# Altium PCB Venato_PCB_v2.PcbDoc (part 1 of 2) (continued)
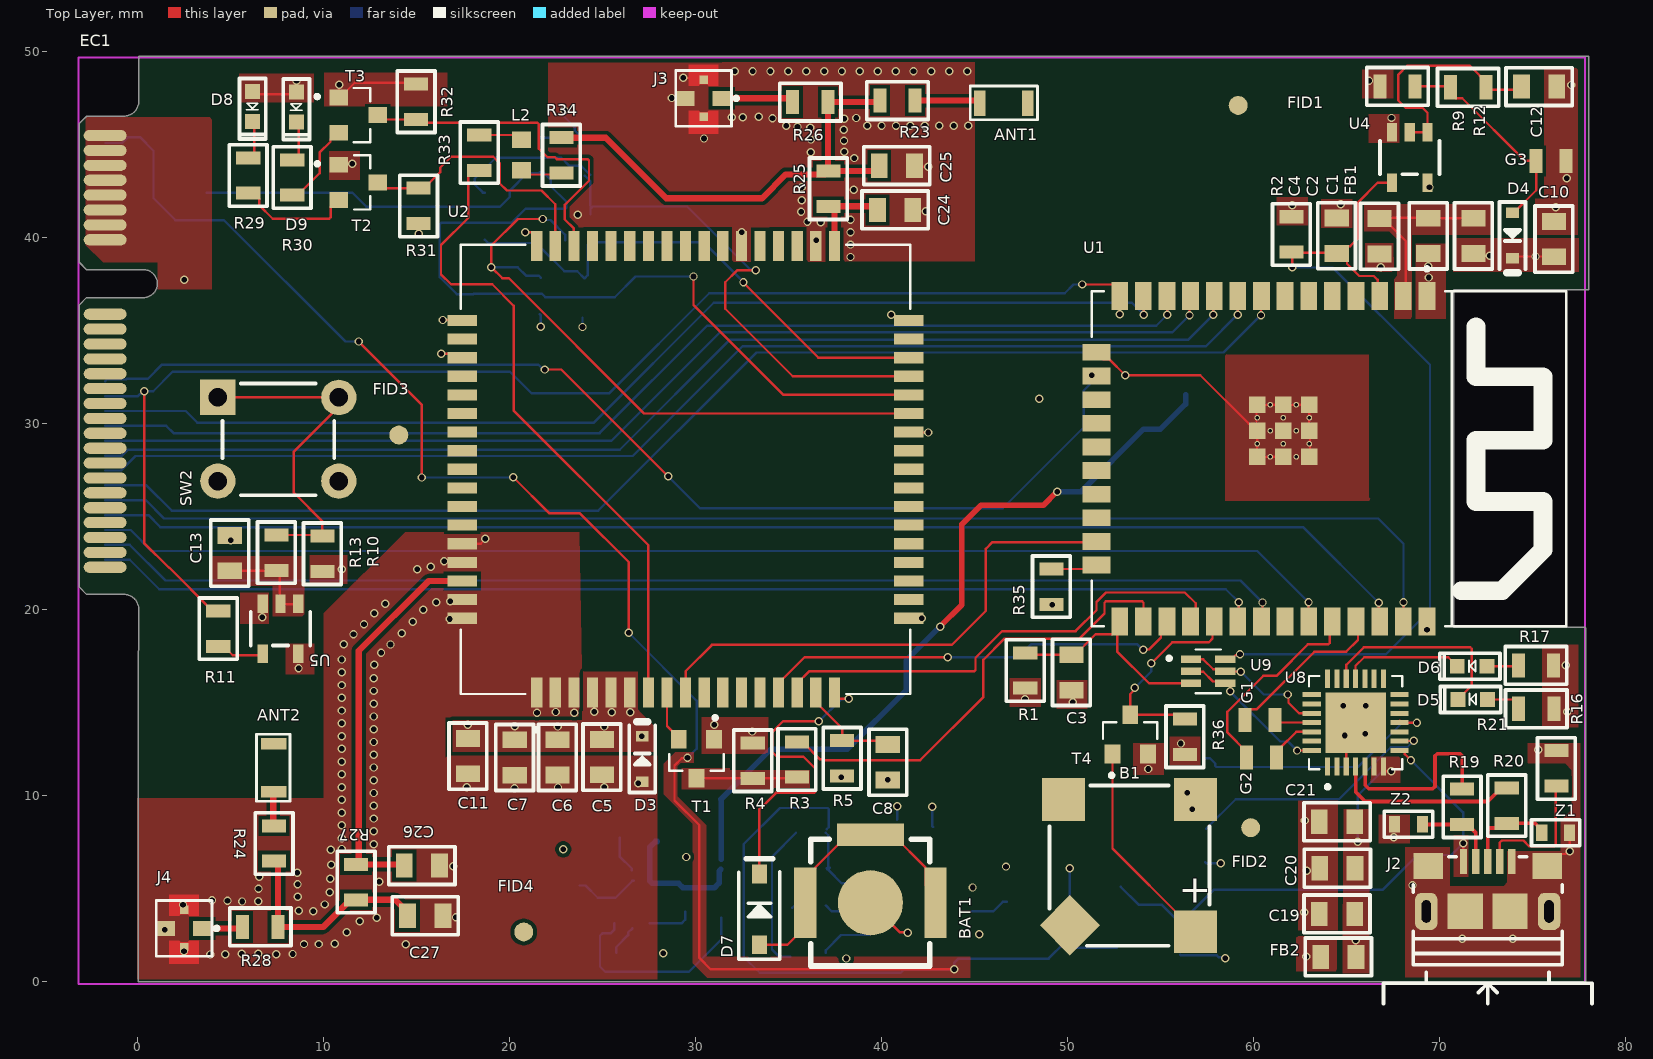
[diagram p0: Top Layer view]
## Components (designator, comment, footprint, x,y, rotation, side; value= is the part's Value field where it differs from the comment) (continued)
R30 "680" R0805 8.32,43.221 r90 top
R31 "10K" R0805 15.114,41.693 r90 top
R32 "10K" R0805 14.977,47.292 r270 top
R33 "10" R0805 18.371,44.555 r90 top
R34 "0R" R0805 22.786,44.411 r90 top
R35 "10K" R0805 49.119,21.232 r90 top
R36 "10K" R0805 56.298,13.164 r90 top
SW2 "1825910-6" DIP41825910-6 7.574,29.15 r90 top
T1 "2N7002" TRANS_MMBT2907A 30.047,11.984 r270 top
T2 "2N7002" TRANS_MMBT2907A 11.871,42.956 r0 top
T3 "2N7002" TRANS_MMBT2907A 11.861,46.57 r0 top
T4 "2N7002" TRANS_MMBT2907A 53.355,13.289 r90 top
TB0 "TitleBlock" PCB_Block -33.147,-80.24 r0 top locked
U1 "ESP32-WROOM-32E-N8" XCVR_ESP32-WROOM-32E_(16MB) 64.042,28.107 r270 top
U2 "SIM808" XCVR_SIM808 29.461,27.536 r90 top
U3 "TP4056" SOP_8 41.813,3.145 r180 bottom
U4 "SN74AHC1G09DBVR" DBV_SOT_5 68.38,44.294 r270 top
U5 "SN74AHC1G09DBVR" DBV_SOT_5 7.69,18.97 r270 top
U6 "DW01A" SOT23-6 26.586,4.433 r180 bottom
U7 "FS8205A" SOT23-6 30.439,5.002 r0 bottom
U8 "CP2102N-A02-GQFN28R" WFQFN-28 65.468,13.926 r90 top
U9 "UMH3NTN" SOT-363 57.546,16.68 r0 top
U10 "ES36NC5M" SOT-363 23.694,40.66 r270 bottom
Z1 "CG0603MLC-05E" R0603 76.223,8.002 r180 top
Z2 "CG0603MLC-05E" R0603 68.315,8.459 r0 top

## Footprints (in the part's own frame and the unit in brackets; to place one, negate y for a bottom-side part, rotate by r counter-clockwise, add the part's x,y. Pads: shape width x height; smd on the part's side, far side on the other; paste and mask are expansions set on the pad)
10118193-0001LF [mm]
  rect 0.4x1.35 smd mask+0.05: 1(-1.3,1.338) 2(-0.65,1.338) 3(0,1.338) 4(0.65,1.338) 5(1.3,1.338)
  rect 1.6x1.4 smd: 6(-3.2,1.112) 7(3.2,1.112)
  rrect60% 1.2x2 hole 0.5 slot 1.2 at 90 deg mask+0.05: 8(-3.3,-1.338) 9(3.3,-1.338)
  rect 1.9x1.9 smd: 10(-1.2,-1.338) 11(1.2,-1.338)
  silkscreen extent -5.6,-6.3 5.6,1.6, body extent -3.93,-4.2 3.93,1.58, height 2.88
BATTERY [mm]
  rect 3x4 smd: 1(-4,0) 2(4,0)
  silkscreen extent -27,-18 27,18, body extent -26.6,-29.21 26.5,17.61, height 6.16
C0805 [mm]
  rect 0.9x1.3 smd: 1(-0.95,0) 2(0.95,0)
  silkscreen extent -1.78,-1.02 1.78,1.02, body extent -1.15,-0.51 1.15,0.49, height 1.53
CL_inductor [mm]
  rect 2x2.7 smd: 1(-1.6,0) 2(1.6,0)
  silkscreen extent -2.95,-1.6 2.9,1.6, body extent -1.7,-1.25 1.7,1.25, height 2.7
DBV_SOT_5 [mm]
  rect 1x0.55 smd: 1(-1.35,0.95) 2(-1.35,0) 3(-1.35,-0.95) 4(1.35,-0.95) 5(1.35,0.95)
  silkscreen extent -0.9,-1.6 0.9,1.6, body extent -1.53,-1.53 1.5,1.53, height 1.6
DIP41825910-6 [mm]
  rect 1.9x1.9 hole 1: 1(2.25,3.25)
  round 1.9 hole 1: 2(2.25,-3.25) 3(-2.25,3.25) 4(-2.25,-3.25)
  silkscreen extent -3,-3 3,3, body extent -3,-3.9 3,3.9, height 5
"Edge Connector" [mm]
  oval 0.6x2.3 smd mask+0: 1(-7.95,1.4) 3(-7.15,1.4) 5(-6.35,1.4) 7(-5.55,1.4) 9(-4.75,1.4) 11(-3.95,1.4) 13(-3.15,1.4) 15(-2.35,1.4) 17(1.65,1.4) 19(2.45,1.4) 21(3.25,1.4) 23(4.05,1.4) 25(4.85,1.4) 27(5.65,1.4) 29(6.45,1.4) 31(7.25,1.4) 33(8.05,1.4) 35(8.85,1.4) 37(9.65,1.4) 39(10.45,1.4) 41(11.25,1.4) 43(12.05,1.4) 45(12.85,1.4) 47(13.65,1.4) 49(14.45,1.4) 51(15.25,1.4)
  oval 0.6x2.3 smd far side mask+0: 2(-7.55,1.4) 4(-6.75,1.4) 6(-5.95,1.4) 8(-5.15,1.4) 10(-4.35,1.4) 12(-3.55,1.4) 14(-2.75,1.4) 16(-1.95,1.4) 18(2.05,1.4) 20(2.85,1.4) 22(3.65,1.4) 24(4.45,1.4) 26(5.25,1.4) 28(6.05,1.4) 30(6.85,1.4) 32(7.65,1.4) 34(8.45,1.4) 36(9.25,1.4) 38(10.05,1.4) 40(10.85,1.4) 42(11.65,1.4) 44(12.45,1.4) 46(13.25,1.4) 48(14.05,1.4) 50(14.85,1.4) 52(15.65,1.4)
FID_x_420 [mil]
  round 40 smd paste-40 mask+40: 1(0,0)
INDC1608X100N [mm]
  rect 0.89x1.02 smd: 1(-0.814,0) 2(0.814,0)
  body extent -0.8,-0.4 0.8,0.4, height 1
IPEX_20579-001E [mm]
  rect 0.8x1 smd paste-1: 1(0,-0.975) G2(0,1)
  rect 0.45x0.45 smd paste-1 mask+0: G1(-1,0) G3(1,0)
  Top Layer region: 1.8,-0.79 0.67,-0.79 0.67,-0.27 0.75,-0.19 0.75,0.19 0.67,0.27 0.67,0.79 1.8,0.79
  Top Layer region: -0.67,0.27 -0.75,0.19 -0.75,-0.19 -0.67,-0.27 -0.67,-0.79 -1.9,-0.79 -1.9,0.79 -0.67,0.79
  silkscreen extent -1.5,-1.85 1.5,1.5, body extent -0.98,-1.08 1.02,0.92, height 0.6
LED0603 [mm]
  rect 0.8x0.8 smd: 1(-0.8,0) 2(0.8,0)
  silkscreen extent -1.75,-0.7 1.5,0.7, body extent -0.85,-0.4 0.85,0.4, height 0.65
My-521-01 [mm]
  rect 1.2x3.8 smd: 1(-3.5,0) 1(3.5,0)
  rect 3.6x1.2 smd: 1(0,3.65)
  round 3.5 smd: 2(0,0)
  silkscreen extent -3.2,-3.4 3.2,3.4, body extent -2.9,-2.9 2.9,2.9, height 2.2
PCB_Block [mm]
  body extent 0,0 1,1
R0603 [mm]
  rect 0.6x0.9 smd: 1(-0.75,0) 2(0.75,0)
  silkscreen extent -1.3,-0.7 1.3,0.7, body extent -0.79,-0.42 0.81,0.42, height 0.81
R0805 [mm]
  rect 0.7x1.3 smd: 1(-0.95,0) 2(0.95,0)
  silkscreen extent -1.65,-1.02 1.65,1.02, body extent -1,-0.6 1,0.6, height 0.7
R0805_no_3d [mm]
  rect 0.7x1.3 smd: 1(-0.8,0) 2(0.8,0)
SIM [mm]
  rect 1.4x1 smd: 1(-6.71,-2.57) 2(-6.71,-1.33) 3(-6.71,1.21) 5(8.23,-2.57) 6(8.23,-1.33) 7(8.23,1.21)
  rect 1.5x1.8 smd: P1(-6.94,5.425) P2(-6.94,-5.425) P3(6.37,-6.26) P4(6.37,6.26)
  silkscreen extent -8.48,-7.6 8.48,7.7, body extent -8.38,-6.93 8.58,6.93, height 1.3
SMD-8503-3627-16O [mm]
  rect 2.3x2.3 smd: 1(3.55,-3.55) 2(3.55,3.55) P2(-3.55,3.55)
  rect 2.3x2.3 smd rot 45: P1(-3.2,-3.2)
  silkscreen extent -4.3,-4.3 4.3,4.3, body extent -4.25,-4.25 4.25,4.25, height 3.06
SOD123 [mm]
  rect 1x0.8 smd: 1(-1.9,0) 2(1.9,0)
  silkscreen extent -2.73,-1.1 2.68,1.1, body extent -1.98,-0.9 1.92,0.9, height 1.18
SOD323 [mil]
  rect 22x27 smd: 1(-48,0) 2(48,0)
  silkscreen extent -79,-28 71,28, body extent -49,-25 49,25, height 35
SOP_8 [mm]
  rect 1.97x0.6 smd mask+0.06: 1(-2.475,1.905) 2(-2.475,0.635) 3(-2.475,-0.635) 4(-2.475,-1.905) 5(2.475,-1.905) 6(2.475,-0.635) 7(2.475,0.635) 8(2.475,1.905)
  rect 2.413x3.302 smd paste-3 mask+0.06: 9(0,0)
  silkscreen extent -3.1,-2.55 2,3, body extent -3.11,-2.5 3.11,2.5, height 1.87
SOT23-6 [mm]
  rect 0.55x1.2 smd: 1(-0.95,-1.3) 2(0,-1.3) 3(0.95,-1.3) 4(0.95,1.3) 5(0,1.3) 6(-0.95,1.3)
  silkscreen extent -2,-1.3 1.5,0.82, body extent -1.45,-1.4 1.45,1.4, height 1.45
SOT-363 [mm]
  rect 1.09x0.4 smd mask+0.05: 1(-0.92,0.65) 2(-0.92,0) 3(-0.92,-0.65) 4(0.92,-0.65) 5(0.92,0) 6(0.92,0.65)
  silkscreen extent -2.2,-1.17 0.68,1.17, body extent -1.05,-1 1.05,1, height 1
TRANS_MMBT2907A [mm]
  rect 1x0.85 smd: 1(-1.05,0.95) 2(-1.05,-0.95) 3(1.05,0)
  silkscreen extent -2.3,-1.46 0.65,1.46, body extent -1.25,-1.05 0.85,1.05, height 1.03
W3010 [mm]
  rect 0.62x1.36 smd: 1(-1.29,0) 2(1.29,0)
  silkscreen extent -1.8,-0.89 1.8,0.91, body extent -1.6,-0.55 1.6,0.55, height 1.6
WFQFN-28 [mm]
  rect 0.99x0.27 smd mask+0.05: 1(-2.36,1.5) 2(-2.36,1) 3(-2.36,0.5) 4(-2.36,0) 5(-2.36,-0.5) 6(-2.36,-1) 7(-2.36,-1.5) 15(2.36,-1.5) 16(2.36,-1) 17(2.36,-0.5) 18(2.36,0) 19(2.36,0.5) 20(2.36,1) 21(2.36,1.5)
  rect 0.27x0.99 smd mask+0.05: 8(-1.5,-2.36) 9(-1,-2.36) 10(-0.5,-2.36) 11(0,-2.36) 12(0.5,-2.36) 13(1,-2.36) 14(1.5,-2.36) 22(1.5,2.36) 23(1,2.36) 24(0.5,2.36) 25(0,2.36) 26(-0.5,2.36) 27(-1,2.36) 28(-1.5,2.36)
  rect 3.25x3.25 smd paste-0.597 mask+0.05: 29(0,0)
  silkscreen extent -3.55,-2.5 2.5,2.5, body extent -2.51,-2.51 2.51,2.51, height 0.75
XCVR_ESP32-WROOM-32E_(16MB) [mm]
  rect 1.5x0.9 smd: 1(-8.75,5.26) 2(-8.75,3.99) 3(-8.75,2.72) 4(-8.75,1.45) 5(-8.75,0.18) 6(-8.75,-1.09) 7(-8.75,-2.36) 8(-8.75,-3.63) 9(-8.75,-4.9) 10(-8.75,-6.17) 11(-8.75,-7.44) 12(-8.75,-8.71) 13(-8.75,-9.98) 14(-8.75,-11.25) 25(8.75,-11.25) 26(8.75,-9.98) 27(8.75,-8.71) 28(8.75,-7.44) 29(8.75,-6.17) 30(8.75,-4.9) 31(8.75,-3.63) 32(8.75,-2.36) 33(8.75,-1.09) 34(8.75,0.18) 35(8.75,1.45) 36(8.75,2.72) 37(8.75,3.99) 38(8.75,5.26)
  rect 0.9x1.5 smd: 15(-5.715,-12.5) 16(-4.445,-12.5) 17(-3.175,-12.5) 18(-1.905,-12.5) 19(-0.635,-12.5) 20(0.635,-12.5) 21(1.905,-12.5) 22(3.175,-12.5) 23(4.445,-12.5) 24(5.715,-12.5)
  rect 0.9x0.9 smd: 39_1(-2.9,-1.06) 39_2(-1.5,-1.06) 39_3(-0.1,-1.06) 39_4(-2.9,-2.46) 39_5(-1.5,-2.46) 39_6(-0.1,-2.46) 39_7(-2.9,-3.86) 39_8(-1.5,-3.86) 39_9(-0.1,-3.86)
  round 0.3 hole 0.2 mask+0: 39_10(-2.2,-1.06) 39_11(-0.8,-1.06) 39_12(-2.9,-1.76) 39_13(-1.5,-1.76) 39_14(-0.1,-1.76) 39_15(-2.2,-2.46) 39_16(-0.8,-2.46) 39_17(-2.9,-3.16) 39_18(-1.5,-3.16) 39_19(-0.1,-3.16) 39_20(-2.2,-3.86) 39_21(-0.8,-3.86)
  silkscreen extent -10.3,-12.75 9,12.75, body extent -9,-12.75 9,12.75, height 3.25
XCVR_SIM808 [mm]
  rect 1.6x0.6 smd: 1(-12,8) 2(-12,7) 3(-12,6) 4(-12,5) 5(-12,4) 6(-12,3) 7(-12,2) 8(-12,1) 9(-12,0) 10(-12,-1) 11(-12,-2) 12(-12,-3) 13(-12,-4) 14(-12,-5) 15(-12,-6) 16(-12,-7) 17(-12,-8) 35(12,-8) 36(12,-7) 37(12,-6) 38(12,-5) 39(12,-4) 40(12,-3) 41(12,-2) 42(12,-1) 43(12,0) 44(12,1) 45(12,2) 46(12,3) 47(12,4) 48(12,5) 49(12,6) 50(12,7) 51(12,8)
  rect 0.6x1.6 smd: 18(-8,-12) 19(-7,-12) 20(-6,-12) 21(-5,-12) 22(-4,-12) 23(-3,-12) 24(-2,-12) 25(-1,-12) 26(0,-12) 27(1,-12) 28(2,-12) 29(3,-12) 30(4,-12) 31(5,-12) 32(6,-12) 33(7,-12) 34(8,-12) 52(8,12) 53(7,12) 54(6,12) 55(5,12) 56(4,12) 57(3,12) 58(2,12) 59(1,12) 60(0,12) 61(-1,12) 62(-2,12) 63(-3,12) 64(-4,12) 65(-5,12) 66(-6,12) 67(-7,12) 68(-8,12)
  silkscreen extent -14.1,-12.07 12.07,12.07, body extent -12,-12 12,12, height 2.8

## Part data
ANT1 ANT2: "Antenna Ceramic Monopole 4dB Gain 2483.5MHz SMD", Case/Package=SMD/SMT, Manufacturer=Pulse, Max Frequency=2.4835GHz, Max Operating Temperature=85°C, Min Operating Temperature=-40°C, Package Quantity=3000, Resistor Type=Ceramic, Supplier Part Number 1=553-W3043CT-ND, Category="RF Antennas", ComponentLink1Description=https://datasheet.ciiva.com/8153/+w3043-8153043.pdf?src-supplier=Avnet, ComponentLink1URL=https://datasheet.ciiva.com/8153/+w3043-8153043.pdf?src-supplier=Avnet, ComponentLink2Description=https://datasheet.ciiva.com/15329/268317-15329727.pdf?src-supplier=Mouser, ComponentLink2URL=https://datasheet.ciiva.com/15329/268317-15329727.pdf?src-supplier=Mouser, ComponentLink3Description=https://datasheet.ciiva.com/2792/+w3043-2792612.pdf?src-supplier=Digi-Key, ComponentLink3URL=https://datasheet.ciiva.com/2792/+w3043-2792612.pdf?src-supplier=Digi-Key, Height=0.043inch, Impedance=50R, Length=1.6mm, Manufacturer Part Number=W3043, Mount="Surface Mount", Number of Bands=2, Packaging=Bulk, Pricing 1="1=1.59000, 10=1.43100, 25=1.35000, 100=1.15020, 250=1.08000, 500=0.94500, 1000=0.78300 (USD)", Return Loss=-12dB, RoHS=Yes, Stock 1=1794, Supplier 1=Digi-Key, Termination=Solder, Width=3.2mm
B1: "SMD Buzzers ROHS", Manufacturer=S&S, Supplier Part Number 1=C2685545, Category=Uncategorized, Manufacturer Part Number=SMD-8503-3627-16, Pricing 1="1=0.32810, 10=0.26310, 30=0.23430, 100=0.19950, 500=0.18440, 1000=0.17540 (USD)", Stock 1=10938, Supplier 1=LCSC
BA0017: library part BA0017, "3.7V 1200mAh Lipo Battery. Dimension: 40.0±3.0mm x 30.0±2.0mm 8.0±0.5mm (1.575±0.118\" x 1.181±0.079\" x 0.315±0.020\")"
BAT1: "Battery button SR521 SMD Battery Connectors ROHS", Manufacturer=MYoung, Supplier Part Number 1=C964848, Category=Uncategorized, Manufacturer Part Number=MY-521-01, Pricing 1="1=0.16030, 10=0.13100, 30=0.11850, 100=0.10290, 500=0.09590, 1000=0.09170 (USD)", RoHS=No, Stock 1=803, Supplier 1=LCSC
C1: library part CL21A226MAQNNNE, "CAP CER 22UF 25V X5R 0805", Case Code (Imperial)=0805, Case Code (Metric)=2012, Dielectric=X5R, Manufacturer=Samsung, Max Operating Temperature=85°C, Min Operating Temperature=-55°C, Package Quantity=1, Supplier Part Number 1=C45783, Tolerance=20%, Voltage Rating=25V, Capacitance=22uF, Case/Package=0805, Category="Ceramic Capacitors", ComponentLink1Description=https://datasheet.ciiva.com/25724/cl21a226maqnnne-25724468.pdf?src-supplier=Digi-Key, ComponentLink1URL=https://datasheet.ciiva.com/25724/cl21a226maqnnne-25724468.pdf?src-supplier=Digi-Key, Construction=Flat, Contact Plating=Tin, Depth=1.25mm, Length=2mm, Manufacturer Part Number=CL21A226MAQNNNE, Mount="Surface Mount", Packaging="Tape and Reel", Pricing 1="20=0.02360, 200=0.01840, 600=0.01610, 2000=0.01440, 10000=0.01370, 20000=0.01320 (USD)", RoHS=Yes, RoHS Compliant=Yes, Series=CL, Stock 1=1815620, Supplier 1=LCSC, Termination=Wraparound, Thickness=0.055inch, Width=0.049inch
C2 C3 C4 C5 C10 C11 C14 C18 C20 C21 C24 C25 C26 C27: library part CGA4J2X7R1H104K125AM, "Cap Ceramic 0.1uF 50V X7R 10% Pad SMD 0805 125°C Automotive T/R", Case Code (Imperial)=0805, Case Code (Metric)=2012, Dielectric=X7R, Manufacturer=TDK, Max Operating Temperature=125°C, Min Operating Temperature=-55°C, Package Quantity=1, Ratings=AEC-Q200, Resistor Type=Ceramic, Supplier Part Number 1=445-6958-1-ND, Tolerance=10%, Voltage Rating=50V, Capacitance=100nF, Case/Package=0805, Category="Ceramic Capacitors", ComponentLink1Description=http://components.arrow.com/part/dataview/0323_06888403?src-supplier=Arrow+Europe, ComponentLink1URL=http://components.arrow.com/part/dataview/0323_06888403?src-supplier=Arrow+Europe, ComponentLink2Description=https://product.tdk.com/info/en/catalog/datasheets/mlcc_automotive_openmode_en.pdf?src-supplier=Digi-Key, ComponentLink2URL=https://product.tdk.com/info/en/catalog/datasheets/mlcc_automotive_openmode_en.pdf?src-supplier=Digi-Key, ComponentLink3Description=https://product.tdk.com/info/en/documents/chara_sheet/CGA4J2X7R1H104K125AM.pdf?src-supplier=Digi-Key, ComponentLink3URL=https://product.tdk.com/info/en/documents/chara_sheet/CGA4J2X7R1H104K125AM.pdf?src-supplier=Digi-Key, ComponentLink4Description=http://components.arrow.com/part/dataview/57437351S460182N1165?src-supplier=Arrow+Electronics, ComponentLink4URL=http://components.arrow.com/part/dataview/57437351S460182N1165?src-supplier=Arrow+Electronics, Depth=1.25mm, Features="Soft Termination", Height=1.25mm, Length=0.079inch, Manufacturer Part Number=CGA4J2X7R1H104K125AM, Mount="Surface Mount", Packaging="Tape and Reel", Pricing 1="1=0.20000, 10=0.14200, 50=0.08080, 100=0.06700, 500=0.04696, 1000=0.03888 (USD)", RoHS=Yes, RoHS Compliant=Yes, Series=CGA, Stock 1=4940, Supplier 1=Digi-Key, Termination=SMD/SMT, Thickness=0.057inch, Voltage Rating (DC)=50V, Weight=0.000194oz, Width=0.049inch
C6: library part GRM21BR71H105KA12L, "0805 1 uF 50 V ±10% Tolerance X7R Multilayer Ceramic Chip Capacitor", Case Code (Imperial)=0805, Case Code (Metric)=2012, Dielectric=X7R, Manufacturer=Murata, Max Operating Temperature=125°C, Min Operating Temperature=-55°C, Package Quantity=1, Tolerance=10%, Voltage=50V, Capacitance=1uF, Case/Package=0805, Category="Ceramic Capacitors", ComponentLink1Description=https://datasheet.ciiva.com/22774/1747475-22774409.pdf?src-supplier=Farnell, ComponentLink1URL=https://datasheet.ciiva.com/22774/1747475-22774409.pdf?src-supplier=Farnell, ComponentLink2Description=https://datasheet.ciiva.com/28659/1684872-28659460.pdf?src-supplier=Element14, ComponentLink2URL=https://datasheet.ciiva.com/28659/1684872-28659460.pdf?src-supplier=Element14, ComponentLink3Description=https://datasheet.ciiva.com/139/grm21br71h105ka12-139467.pdf?src-supplier=Digi-Key, ComponentLink3URL=https://datasheet.ciiva.com/139/grm21br71h105ka12-139467.pdf?src-supplier=Digi-Key, ComponentLink4Description=https://datasheet.ciiva.com/3777/8166grm21br71h105ka1223-3777308.pdf?src-supplier=Arrow+Electronics, ComponentLink4URL=https://datasheet.ciiva.com/3777/8166grm21br71h105ka1223-3777308.pdf?src-supplier=Arrow+Electronics, ComponentLink5Description=https://datasheet.ciiva.com/29202/450841-da-01-de-vs-chip-kond-0805-1-0-uf-10pr-50-0v-x7r-29202833.pdf?src-supplier=Conrad, ComponentLink5URL=https://datasheet.ciiva.com/29202/450841-da-01-de-vs-chip-kond-0805-1-0-uf-10pr-50-0v-x7r-29202833.pdf?src-supplier=Conrad, ComponentLink6Description=https://datasheet.ciiva.com/29199/454791-da-01-en-vs-kondensator-0805-29199539.pdf?src-supplier=Conrad, ComponentLink6URL=https://datasheet.ciiva.com/29199/454791-da-01-en-vs-kondensator-0805-29199539.pdf?src-supplier=Conrad, ComponentLink7Description=https://datasheet.ciiva.com/22774/608985-22774412.pdf?src-supplier=Farnell, ComponentLink7URL=https://datasheet.ciiva.com/22774/608985-22774412.pdf?src-supplier=Farnell, ComponentLink8Description=https://datasheet.ciiva.com/22774/608985-22774411.pdf?src-supplier=Farnell, ComponentLink8URL=https://datasheet.ciiva.com/22774/608985-22774411.pdf?src-supplier=Farnell, ComponentLink9Description=https://datasheet.ciiva.com/16199/product-16199127.pdf?src-supplier=Future+Electronics, ComponentLink9URL=https://datasheet.ciiva.com/16199/product-16199127.pdf?src-supplier=Future+Electronics, Construction=Flat, Depth=1.25mm, Height=1.25mm, Lead Free="Lead Free", Length=2mm, Manufacturer Part Number=GRM21BR71H105KA12L, Material=Ceramic, Mount="Surface Mount", Number of Pins=2, Packaging="Tape and Reel", Pricing 1="1=0.72300, 25=0.64900, 50=0.59100, 100=0.52300, 250=0.46500, 500=0.39900, 1000=0.35100, 2500=0.27800, 3000=0.27800 (USD)", Radiation Hardening=No, Reach SVHC Compliant=Yes, RoHS=Yes, RoHS Compliant=Yes, Series=GRM, Supplier 1=Newark, Termination=SMD/SMT, Thickness=0.053inch, Voltage Rating=50V, Voltage Rating (DC)=50V, Width=0.049inch
C7 C22 C23: library part GRM21BR60J107ME15L, "0805 100 uF 6.3 V ±20% Tolerance X5R Multilayer Ceramic Chip Capacitor", Case Code (Imperial)=0805, Case Code (Metric)=2012, Dielectric=X5R, Manufacturer=Murata, Max Operating Temperature=85°C, Min Operating Temperature=-55°C, Supplier Part Number 1=490-13981-1-ND, Tolerance=20%, Voltage Rating=6.3V, Capacitance=100uF, Case/Package=0805, Category="Ceramic Capacitors", ComponentLink1Description=http://www.farnell.com/datasheets/1957830.pdf?src-supplier=Farnell, ComponentLink1URL=http://www.farnell.com/datasheets/1957830.pdf?src-supplier=Farnell, ComponentLink2Description=http://www.farnell.com/datasheets/1957830.pdf?src-supplier=Element14, ComponentLink2URL=http://www.farnell.com/datasheets/1957830.pdf?src-supplier=Element14, ComponentLink3Description=https://search.murata.co.jp/Ceramy/image/img/A01X/G101/ENG/GRM21BR60J107ME15-01.pdf?src-supplier=Digi-Key, ComponentLink3URL=https://search.murata.co.jp/Ceramy/image/img/A01X/G101/ENG/GRM21BR60J107ME15-01.pdf?src-supplier=Digi-Key, ComponentLink4Description=http://www.farnell.com/datasheets/1957830.pdf?src-supplier=Newark, ComponentLink4URL=http://www.farnell.com/datasheets/1957830.pdf?src-supplier=Newark, Lead Free="Lead Free", Length=0.079inch, Manufacturer Part Number=GRM21BR60J107ME15L, Mount="Surface Mount", Packaging="Cut Tape", Pricing 1="1=1.15000, 10=0.90900, 50=0.78800, 100=0.68180, 500=0.51516, 1000=0.45456 (USD)", Reach SVHC Compliant=Yes, RoHS=Yes, RoHS Compliant=Yes, Series=GRM, Stock 1=830718, Supplier 1=Digi-Key, Thickness=0.057inch, Voltage Rating (DC)=6.3V, Width=0.049inch
C8 C12 C13: library part C2012X5R1E105K125AA, "TDK - C2012X5R1E105K125AA - SMD Multilayer Ceramic Capacitor, 1 µF, 25 V, 0805 [2012 Metric], ± 10%, X5R, C Series", Case Code (Imperial)=0805, Case Code (Metric)=2012, Dielectric=X5R, Dielectric Material=Ceramic, Manufacturer=TDK, Max Operating Temperature=85°C, Min Operating Temperature=-55°C, Package Quantity=2000, Supplier Part Number 1=445-1419-1-ND, Tolerance=10%, Voltage=25V, Capacitance=1uF, Case/Package=0805, Category="Ceramic Capacitors", ComponentLink1Description=https://datasheet.ciiva.com/11787/0900766b80c1bb00-11787608.pdf?src-supplier=RSComponents, ComponentLink1URL=https://datasheet.ciiva.com/11787/0900766b80c1bb00-11787608.pdf?src-supplier=RSComponents, ComponentLink2Description=https://datasheet.ciiva.com/16449/e412-c-16449595.pdf?src-supplier=Future+Electronics, ComponentLink2URL=https://datasheet.ciiva.com/16449/e412-c-16449595.pdf?src-supplier=Future+Electronics, ComponentLink3Description=https://datasheet.ciiva.com/28602/1744655-28602171.pdf?src-supplier=Element14, ComponentLink3URL=https://datasheet.ciiva.com/28602/1744655-28602171.pdf?src-supplier=Element14, ComponentLink4Description=https://datasheet.ciiva.com/15192/getdatasheetpartid-726707-15192140.pdf?src-supplier=Verical, ComponentLink4URL=https://datasheet.ciiva.com/15192/getdatasheetpartid-726707-15192140.pdf?src-supplier=Verical, Construction=Flat, Depth=1.25mm, Height=1.25mm, Lead Free="Lead Free", Length=2mm, Manufacturer Part Number=C2012X5R1E105K125AA, Mount="Surface Mount", Number of Pins=2, Packaging="Tape and Reel", Pricing 1="1=0.23000, 10=0.15800, 50=0.09500, 100=0.08030, 500=0.05492, 1000=0.04858 (USD)", Radiation Hardening=No, REACH SVHC="No SVHC", Resistor Type=Ceramic, RoHS=Yes, RoHS Compliant=Yes, Series=C, Stock 1=32247, Supplier 1=Digi-Key, Termination=SMD/SMT, Thickness=0.057inch, Voltage Rating=25V, Voltage Rating (DC)=25V, Weight=0.000194oz, Width=0.049inch
C9 C19: library part CGA4J3X7S1A106M125AB, "Cap Ceramic 10uF 10V X7S 20% Pad SMD 0805 125°C Low ESR Automotive T/R", Case Code (Imperial)=0805, Case Code (Metric)=2012, Dielectric=X7S, Manufacturer=TDK, Max Operating Temperature=125°C, Min Operating Temperature=-55°C, Package Quantity=2000, Ratings=AEC-Q200, Supplier Part Number 1=445-16115-1-ND, Tolerance=20%, Voltage Rating=10V, Capacitance=10uF, Case/Package=0805, Category="Ceramic Capacitors", ComponentLink1Description=http://www.mouser.com/ds/2/400/lcc_automotive_general_en-843974.pdf?src-supplier=Mouser, ComponentLink1URL=http://www.mouser.com/ds/2/400/lcc_automotive_general_en-843974.pdf?src-supplier=Mouser, ComponentLink2Description=https://product.tdk.com/info/en/documents/chara_sheet/CGA4J3X7S1A106M125AB.pdf?src-supplier=Digi-Key, ComponentLink2URL=https://product.tdk.com/info/en/documents/chara_sheet/CGA4J3X7S1A106M125AB.pdf?src-supplier=Digi-Key, Height=1.25mm, Length=0.079inch, Manufacturer Part Number=CGA4J3X7S1A106M125AB, Mount="Surface Mount", Packaging="Tape and Reel", RoHS=Yes, RoHS Compliant=Yes, Supplier 1=Digi-Key, Termination=SMD/SMT, Thickness=0.057inch, Voltage Rating (DC)=10V, Weight=0.000194oz, Width=1.25mm
  C9: Pricing 1="1=0.41000, 10=0.29000, 50=0.21920, 100=0.19090, 500=0.14140, 1000=0.12019 (USD)", Stock 1=13960
  C19: Pricing 1="1=0.45000, 10=0.31600, 50=0.23880, 100=0.20790, 500=0.15400, 1000=0.13090 (USD)", Stock 1=10
C15 C16 C17: library part CC0805JRNPO9BN330, "Cap Ceramic 33pF 50V C0G 5% SMD 0805 125C T/R", Case Code (Imperial)=0805, Case Code (Metric)=2012, Dielectric=C0G, Dielectric Material=Ceramic, Manufacturer=Yageo, Max Operating Temperature=125°C, Min Operating Temperature=-55°C, Package Quantity=1, Supplier Part Number 1=311-1105-1-ND, Tolerance=5%, Voltage=50V, Capacitance=33pF, Case/Package=0805, Category="Ceramic Capacitors", ComponentLink1Description=https://datasheet.ciiva.com/8033/1443161-8033944.pdf?src-supplier=Element14, ComponentLink1URL=https://datasheet.ciiva.com/8033/1443161-8033944.pdf?src-supplier=Element14, ComponentLink2Description=https://datasheet.ciiva.com/8033/1443161-8033942.pdf?src-supplier=Element14, ComponentLink2URL=https://datasheet.ciiva.com/8033/1443161-8033942.pdf?src-supplier=Element14, ComponentLink3Description=https://datasheet.ciiva.com/144/mlccorderingcode-144779.pdf?src-supplier=Digi-Key, ComponentLink3URL=https://datasheet.ciiva.com/144/mlccorderingcode-144779.pdf?src-supplier=Digi-Key, ComponentLink4Description=https://datasheet.ciiva.com/144/mlccorderingcode-144778.pdf?src-supplier=Digi-Key, ComponentLink4URL=https://datasheet.ciiva.com/144/mlccorderingcode-144778.pdf?src-supplier=Digi-Key, ComponentLink5Description=https://datasheet.ciiva.com/144/mlccorderingcode-144780.pdf?src-supplier=Digi-Key, ComponentLink5URL=https://datasheet.ciiva.com/144/mlccorderingcode-144780.pdf?src-supplier=Digi-Key, ComponentLink6Description=https://datasheet.ciiva.com/11464/upy-gp-np0-16v-to-50v-8-11464747.pdf?src-supplier=Avnet, ComponentLink6URL=https://datasheet.ciiva.com/11464/upy-gp-np0-16v-to-50v-8-11464747.pdf?src-supplier=Avnet, ComponentLink7Description=https://datasheet.ciiva.com/29241/445349-da-01-en-kerko-chip-0805-np0-33pf-5proz-50v-g-29241975.pdf?src-supplier=Conrad, ComponentLink7URL=https://datasheet.ciiva.com/29241/445349-da-01-en-kerko-chip-0805-np0-33pf-5proz-50v-g-29241975.pdf?src-supplier=Conrad, Depth=1.25mm, Height=0.6mm, Lead Free="Lead Free", Length=2mm, Manufacturer Part Number=CC0805JRNPO9BN330, Material=Ceramic, Mount="Surface Mount", Packaging="Tape and Reel", Pricing 1="1=0.10000, 10=0.06900, 50=0.03760, 100=0.03060, 500=0.02188, 1000=0.01719 (USD)", Radiation Hardening=No, Resistor Type=Ceramic, RoHS=Yes, RoHS Compliant=Yes, Series=CC, Stock 1=150073, Supplier 1=Digi-Key, Termination=SMD/SMT, Thickness=0.024inch, Voltage Rating=50V, Voltage Rating (DC)=50V, Width=0.049inch
D1 D8 D9: library part LGL29K-G2J1-24-Z, "LED Single Chip Green 570nm 20mA 2-Pin 0603 T/R", Case Code (Imperial)=0603, Case Code (Metric)=1608, Forward Current=20mA, Forward Voltage=2.2V, Lens Color=White, Manufacturer="Osram Opto", Max Operating Temperature=100°C, Min Operating Temperature=-40°C, Package Quantity=5000, Reverse Voltage=12V, Supplier Part Number 1=LGL29K-G2J1-24-Z-299157-OSRAMOPTO, Test Current=2mA, Case/Package=0603, Category=LEDs, Color=Green, ComponentLink1Description=https://datasheet.ciiva.com/4689/g-l29k-39844-4689584.pdf?src-supplier=Mouser, ComponentLink1URL=https://datasheet.ciiva.com/4689/g-l29k-39844-4689584.pdf?src-supplier=Mouser, ComponentLink2Description=https://datasheet.ciiva.com/15198/getdatasheetpartid-571127-15198411.pdf?src-supplier=Verical, ComponentLink2URL=https://datasheet.ciiva.com/15198/getdatasheetpartid-571127-15198411.pdf?src-supplier=Verical, ComponentLink3Description=https://datasheet.ciiva.com/2112/00077107-0-2112887.pdf?src-supplier=Digi-Key, ComponentLink3URL=https://datasheet.ciiva.com/2112/00077107-0-2112887.pdf?src-supplier=Digi-Key, ComponentLink4Description=https://datasheet.ciiva.com/2112/00077107-0-2112886.pdf?src-supplier=Digi-Key, ComponentLink4URL=https://datasheet.ciiva.com/2112/00077107-0-2112886.pdf?src-supplier=Digi-Key, ComponentLink5Description=https://datasheet.ciiva.com/2112/00077107-0-2112888.pdf?src-supplier=Digi-Key, ComponentLink5URL=https://datasheet.ciiva.com/2112/00077107-0-2112888.pdf?src-supplier=Digi-Key, Depth=0.8mm, Dominant Wavelength=570nm, Height=0.65mm, Illumination Color=Green, Length=1.3mm, Lens Size=0.8mm, Lens Style=Flat,Diffused,Colorless,Rectangular, Lens Transparency=Diffused, Luminous Flux=0.012lm, Luminous Intensity=5.6mcd, Manufacturer Part Number=LGL29K-G2J1-24-Z, Mount="Surface Mount", Number of Elements=1, Number of LEDs=1, Number of Pins=2, Packaging="Tape and Reel", Radiation Hardening=No, RoHS=Yes, RoHS Compliant=Yes, Series=SmartLED, Stock 1=60000, Supplier 1="Bison Technologies", Viewing Angle=160°, Width=0.8mm
D2 D5 D6: library part LOL29K-H2K1-24-Z, "Smartled Orange Lc", Case Code (Imperial)=0603, Case Code (Metric)=1608, Forward Current=20mA, Forward Voltage=2.2V, Lens Color=White, Manufacturer="Osram Opto", Max Operating Temperature=100°C, Min Operating Temperature=-40°C, Package Quantity=5000, Reverse Voltage=12V, Supplier Part Number 1="LO L29K-H2K1-24-Z", Test Current=2mA, Case/Package=0603, Category=Uncategorized, Color=Orange, ComponentLink1Description=https://datasheet.ciiva.com/2112/00077105-0-2112905.pdf?src-supplier=Digi-Key, ComponentLink1URL=https://datasheet.ciiva.com/2112/00077105-0-2112905.pdf?src-supplier=Digi-Key, ComponentLink2Description=https://datasheet.ciiva.com/2112/00077105-0-2112904.pdf?src-supplier=Digi-Key, ComponentLink2URL=https://datasheet.ciiva.com/2112/00077105-0-2112904.pdf?src-supplier=Digi-Key, ComponentLink3Description=https://datasheet.ciiva.com/2112/00077105-0-2112906.pdf?src-supplier=Digi-Key, ComponentLink3URL=https://datasheet.ciiva.com/2112/00077105-0-2112906.pdf?src-supplier=Digi-Key, ComponentLink4Description=https://datasheet.ciiva.com/15198/getdatasheetpartid-693885-15198412.pdf?src-supplier=Verical, ComponentLink4URL=https://datasheet.ciiva.com/15198/getdatasheetpartid-693885-15198412.pdf?src-supplier=Verical, Depth=0.8mm, Dominant Wavelength=606nm, Height=0.65mm, Illumination Color=Orange, Length=1.3mm, Lens Size=0.8mm, Lens Style=Flat,Diffused,Colorless,Rectangular, Lens Transparency=Diffused, Luminous Flux=0.025lm, Luminous Intensity=9mcd, Manufacturer Part Number=LOL29K-H2K1-24-Z, Mount="Surface Mount", Number of Elements=1, Number of LEDs=1, Number of Pins=2, Packaging="Tape and Reel", Radiation Hardening=No, RoHS=Yes, RoHS Compliant=Yes, Series=SmartLED, Supplier 1="Arrow Electronics", Viewing Angle=160°, Width=0.8mm
D3: library part BZT52C5V1S, "Zener Single Diode, 5.1 V, 200 Mw, Sod-323, 6 %, 2, 150 C Rohs Compliant: Yes", Forward Voltage=900mV, Manufacturer=Multicomp, Max Forward Surge Current (Ifsm)=2A, Max Operating Temperature=150°C, Max Power Dissipation=200mW, Min Operating Temperature=-65°C, Supplier Part Number 1=1466019, Test Current=5mA, Category="Zener Diodes", ComponentLink1Description=http://www.farnell.com/datasheets/469132.pdf?src-supplier=Farnell, ComponentLink1URL=http://www.farnell.com/datasheets/469132.pdf?src-supplier=Farnell, ComponentLink2Description=http://www.farnell.com/datasheets/469132.pdf?src-supplier=Element14, ComponentLink2URL=http://www.farnell.com/datasheets/469132.pdf?src-supplier=Element14, Manufacturer Part Number=BZT52C5V1S, Mount="Surface Mount", Number of Pins=2, Packaging="Cut Tape", Reach SVHC Compliant=Yes, RoHS=Yes, Supplier 1=Farnell, Termination=SMD/SMT, Zener Voltage=5.1V
D4: "Small Signal Schottky Diode, Single, 30 V, 200 Ma, 800 Mv, 600 Ma, 150 C", Average Rectified Current=200mA, Capacitance=10pF, Forward Voltage=800mV, Manufacturer="ON Semiconductor / Fairchild", Max Forward Surge Current (Ifsm)=600mA, Max Operating Temperature=150°C, Max Repetitive Reverse Voltage (Vrrm)=30V, Max Reverse Current=2uA, Min Operating Temperature=-55°C, Package Quantity=3000, Power Dissipation=200mW, Supplier Part Number 1=BAT54HT1GOSDKR-ND, Category="Schottky Diodes", ComponentLink1Description=https://datasheet.ciiva.com/4714/bat54ht1-d-72881-4714706.pdf?src-supplier=Mouser, ComponentLink1URL=https://datasheet.ciiva.com/4714/bat54ht1-d-72881-4714706.pdf?src-supplier=Mouser, ComponentLink2Description=https://datasheet.ciiva.com/4452/bat54ht1g-104602-4452889.pdf?src-supplier=Mouser, ComponentLink2URL=https://datasheet.ciiva.com/4452/bat54ht1g-104602-4452889.pdf?src-supplier=Mouser, ComponentLink3Description=https://datasheet.ciiva.com/30479/0900766b811a63a9-30479442.pdf?src-supplier=RSComponents, ComponentLink3URL=https://datasheet.ciiva.com/30479/0900766b811a63a9-30479442.pdf?src-supplier=RSComponents, ComponentLink4Description=https://datasheet.ciiva.com/34301/806549-34301562.pdf?src-supplier=Jameco, ComponentLink4URL=https://datasheet.ciiva.com/34301/806549-34301562.pdf?src-supplier=Jameco, ComponentLink5Description=https://datasheet.ciiva.com/1240/1747983-1240762.pdf?src-supplier=Newark, ComponentLink5URL=https://datasheet.ciiva.com/1240/1747983-1240762.pdf?src-supplier=Newark, ComponentLink6Description=https://datasheet.ciiva.com/915/bat54ht1-d-915445.pdf?src-supplier=Digi-Key, ComponentLink6URL=https://datasheet.ciiva.com/915/bat54ht1-d-915445.pdf?src-supplier=Digi-Key, ComponentLink7Description=https://datasheet.ciiva.com/915/bat54ht1-d-915444.pdf?src-supplier=Digi-Key, ComponentLink7URL=https://datasheet.ciiva.com/915/bat54ht1-d-915444.pdf?src-supplier=Digi-Key, ComponentLink8Description=https://datasheet.ciiva.com/910/bat54ht1g-910499.pdf?src-supplier=Digi-Key, ComponentLink8URL=https://datasheet.ciiva.com/910/bat54ht1g-910499.pdf?src-supplier=Digi-Key, ComponentLink9Description=https://datasheet.ciiva.com/910/bat54ht1g-910498.pdf?src-supplier=Digi-Key, ComponentLink9URL=https://datasheet.ciiva.com/910/bat54ht1g-910498.pdf?src-supplier=Digi-Key, ComponentLink10Description=https://datasheet.ciiva.com/8294/bat54ht1-d-8294645.pdf?src-supplier=Avnet, ComponentLink10URL=https://datasheet.ciiva.com/8294/bat54ht1-d-8294645.pdf?src-supplier=Avnet, ComponentLink11Description=https://datasheet.ciiva.com/910/bat54ht1g-910497.pdf?src-supplier=Digi-Key, ComponentLink11URL=https://datasheet.ciiva.com/910/bat54ht1g-910497.pdf?src-supplier=Digi-Key, ComponentLink12Description=https://datasheet.ciiva.com/8303/bat54ht1g-8303645.pdf?src-supplier=Avnet, ComponentLink12URL=https://datasheet.ciiva.com/8303/bat54ht1g-8303645.pdf?src-supplier=Avnet, ComponentLink13Description=https://datasheet.ciiva.com/915/bat54ht1-d-915443.pdf?src-supplier=Digi-Key, ComponentLink13URL=https://datasheet.ciiva.com/915/bat54ht1-d-915443.pdf?src-supplier=Digi-Key, ComponentLink14Description=https://datasheet.ciiva.com/46429/1727620-46429206.pdf?src-supplier=Element14, ComponentLink14URL=https://datasheet.ciiva.com/46429/1727620-46429206.pdf?src-supplier=Element14, ComponentLink15Description=https://datasheet.ciiva.com/1180/bat54ht1-d-1180252.pdf?src-supplier=Element14, ComponentLink15URL=https://datasheet.ciiva.com/1180/bat54ht1-d-1180252.pdf?src-supplier=Element14, ComponentLink16Description=https://datasheet.ciiva.com/1180/bat54ht1-d-1180251.pdf?src-supplier=Element14, ComponentLink16URL=https://datasheet.ciiva.com/1180/bat54ht1-d-1180251.pdf?src-supplier=Element14, ComponentLink17Description=https://datasheet.ciiva.com/17020/bat54ht1g-17020445.pdf?src-supplier=Future+Electronics, ComponentLink17URL=https://datasheet.ciiva.com/17020/bat54ht1g-17020445.pdf?src-supplier=Future+Electronics, ComponentLink18Description=https://datasheet.ciiva.com/48686/001262925-da-01-en-diode-schottky-30v-bat54ht1g-sod-323-fsc-48686266.pdf?src-supplier=Conrad, ComponentLink18URL=https://datasheet.ciiva.com/48686/001262925-da-01-en-diode-schottky-30v-bat54ht1g-sod-323-fsc-48686266.pdf?src-supplier=Conrad, Contact Plating=Tin,Matte, Current Rating=200mA, Element Configuration=Single, Forward Current=200mA, Height=1mm, Lead Free="Lead Free", Length=1.8mm, Manufacturer Part Number=BAT54HT1G, Max Reverse Leakage Current=2uA, Max Reverse Voltage (DC)=30V, Max Surge Current=600mA, Mount="Surface Mount", Number of Pins=2, Output Current=200mA, Packaging="Tape and Reel", Peak Non-Repetitive Surge Current=600mA, Polarity=Standard, Pricing 1="1=0.24000, 10=0.19900, 100=0.10570, 500=0.06956, 1000=0.04730 (USD)", Radiation Hardening=No, REACH SVHC="No SVHC", Recovery Time=5ns, Reverse Recovery Time=5ns, Reverse Voltage=30V, RoHS=Yes, RoHS Compliant=Yes, Supplier 1=Digi-Key, Voltage Rating (DC)=30V, Width=1.35mm
D7: "DIODE SCHOTTKY 30V 1A PMDU", Average Rectified Current=1A, Forward Voltage=430mV, Manufacturer=Rohm, Max Forward Surge Current (Ifsm)=30A, Max Operating Temperature=125°C, Max Repetitive Reverse Voltage (Vrrm)=30V, Max Reverse Current=50uA, Min Operating Temperature=-40°C, Package Quantity=1, Category="Rectifier Diodes", ComponentLink1Description=https://datasheet.ciiva.com/22696/24622-22696102.pdf?src-supplier=Element14, ComponentLink1URL=https://datasheet.ciiva.com/22696/24622-22696102.pdf?src-supplier=Element14, ComponentLink2Description=https://datasheet.ciiva.com/13083/rb160m-30-210354-13083762.pdf?src-supplier=Mouser, ComponentLink2URL=https://datasheet.ciiva.com/13083/rb160m-30-210354-13083762.pdf?src-supplier=Mouser, ComponentLink3Description=https://datasheet.ciiva.com/913/rb160m-30-913552.pdf?src-supplier=Digi-Key, ComponentLink3URL=https://datasheet.ciiva.com/913/rb160m-30-913552.pdf?src-supplier=Digi-Key, ComponentLink4Description=https://datasheet.ciiva.com/16208/rb160m-30-16208896.pdf?src-supplier=Future+Electronics, ComponentLink4URL=https://datasheet.ciiva.com/16208/rb160m-30-16208896.pdf?src-supplier=Future+Electronics, ComponentLink5Description=https://datasheet.ciiva.com/7624/24622-7624621.pdf?src-supplier=Element14, ComponentLink5URL=https://datasheet.ciiva.com/7624/24622-7624621.pdf?src-supplier=Element14, ComponentLink6Description=https://datasheet.ciiva.com/3021/rb160m-30-3021996.pdf?src-supplier=Avnet, ComponentLink6URL=https://datasheet.ciiva.com/3021/rb160m-30-3021996.pdf?src-supplier=Avnet, Current Rating=1A, Element Configuration=Single, Forward Current=1A, Lead Free="Lead Free", Manufacturer Part Number=RB160M-30TR, Max Reverse Leakage Current=50uA, Max Reverse Voltage (DC)=30V, Max Surge Current=30A, Mount="Surface Mount", Number of Pins=2, Output Current=1A, Packaging="Tape and Reel", Peak Non-Repetitive Surge Current=30A, Polarity=Standard, Pricing 1="1=0.39000 (USD)", Radiation Hardening=No, Reach SVHC Compliant=Yes, RoHS=Yes, RoHS Compliant=Yes, Series=-, Stock 1=1870, Termination=SMD/SMT, Voltage Rating (DC)=30V
EC1: library part EdgeCard
FB1 FB2: "Ferrite Beads Multi-Layer Power 600Ohm 25% 100MHz 2A 100mOhm DCR 0805 T/R", Case Code (Imperial)=0805, Case Code (Metric)=2012, Current Rating=2A, DC Resistance (DCR)=100mR, Manufacturer=TDK, Package Quantity=1, Supplier Part Number 1=445-2206-6-ND, Case/Package=0805, Category="Ferrite Beads and Chips", ComponentLink1Description=https://datasheet.ciiva.com/46634/beads-commercial-power-mpz-en-46634377.pdf?src-supplier=Digi-Key, ComponentLink1URL=https://datasheet.ciiva.com/46634/beads-commercial-power-mpz-en-46634377.pdf?src-supplier=Digi-Key, ComponentLink2Description=https://datasheet.ciiva.com/46634/beads-commercial-power-mpz-en-46634606.pdf?src-supplier=Digi-Key, ComponentLink2URL=https://datasheet.ciiva.com/46634/beads-commercial-power-mpz-en-46634606.pdf?src-supplier=Digi-Key, ComponentLink3Description=https://datasheet.ciiva.com/46634/beads-commercial-power-mpz-en-46634335.pdf?src-supplier=Digi-Key, ComponentLink3URL=https://datasheet.ciiva.com/46634/beads-commercial-power-mpz-en-46634335.pdf?src-supplier=Digi-Key, Height=0.041inch, Impedance=600R, Lead Free="Lead Free", Length=0.079inch, Manufacturer Part Number=MPZ2012S601AT000, Max DC Current=2A, Mount="Surface Mount", Packaging="Tape and Reel", Pricing 1="1=0.12000, 10=0.10100, 25=0.09040, 50=0.06640, 100=0.05740, 250=0.04528, 500=0.03824, 1000=0.03221 (USD)", REACH SVHC="No SVHC", RoHS=Yes, RoHS Compliant=Yes, Series=MPZ, Supplier 1=Digi-Key, Width=0.049inch
FID1 FID2 FID3 FID4: "Fisushal 1MM"
G1 G2 G3: library part "0Ohm gap", "This is a gap that diconects line. you can connect it using soldier"
J1: "Vertical Surface Mount Memory & SIM Card Connector; with SMT Termination", Current Rating=500mA, Manufacturer=Molex, Max Operating Temperature=85°C, Min Operating Temperature=-30°C, Package Quantity=1200, Voltage Rating (DC)=5V, Category="Memory Connectors", ComponentLink1Description=https://datasheet.ciiva.com/28461/1769838-28461586.pdf?src-supplier=Element14, ComponentLink1URL=https://datasheet.ciiva.com/28461/1769838-28461586.pdf?src-supplier=Element14, ComponentLink2Description=https://datasheet.ciiva.com/30490/0900766b812787b6-30490685.pdf?src-supplier=RSComponents, ComponentLink2URL=https://datasheet.ciiva.com/30490/0900766b812787b6-30490685.pdf?src-supplier=RSComponents, ComponentLink3Description=https://datasheet.ciiva.com/23829/0788000001-memory-card-socket-23829351.pdf?src-supplier=Newark, ComponentLink3URL=https://datasheet.ciiva.com/23829/0788000001-memory-card-socket-23829351.pdf?src-supplier=Newark, ComponentLink4Description=https://datasheet.ciiva.com/24089/0788000001-memory-card-socket-253493-24089694.pdf?src-supplier=Mouser, ComponentLink4URL=https://datasheet.ciiva.com/24089/0788000001-memory-card-socket-253493-24089694.pdf?src-supplier=Mouser, ComponentLink5Description=https://datasheet.ciiva.com/28461/1769838-28461580.pdf?src-supplier=Element14, ComponentLink5URL=https://datasheet.ciiva.com/28461/1769838-28461580.pdf?src-supplier=Element14, Connector Type=Socket, Contact Material=Bronze, Contact Plating=Gold, ELV=Compliant, Gender=Female, Halogen Free="Low Halogen", Height=1.4mm, Housing Material=Polymer, Length=16.96mm, Manufacturer Part Number=78800-0001, Material=Bronze, Mount="Surface Mount", Number of Circuits=6, Number of Contacts=6, Number of Rows=1, Orientation=Vertical, Packaging="Tape and Reel", Pitch=1.4mm, Pricing 1="5=1.42600, 25=1.35800, 50=1.28600, 125=1.18000, 250=1.07600 (GBP)", RoHS=Yes, RoHS Compliant=Yes, Series=78800, Shielding=Shielded, Stock 1=1295, Supplier 1=RSComponents, Termination=SMD/SMT